# KiCad board Turbo_XT_Mainboard R3.kicad_pcb (continued)
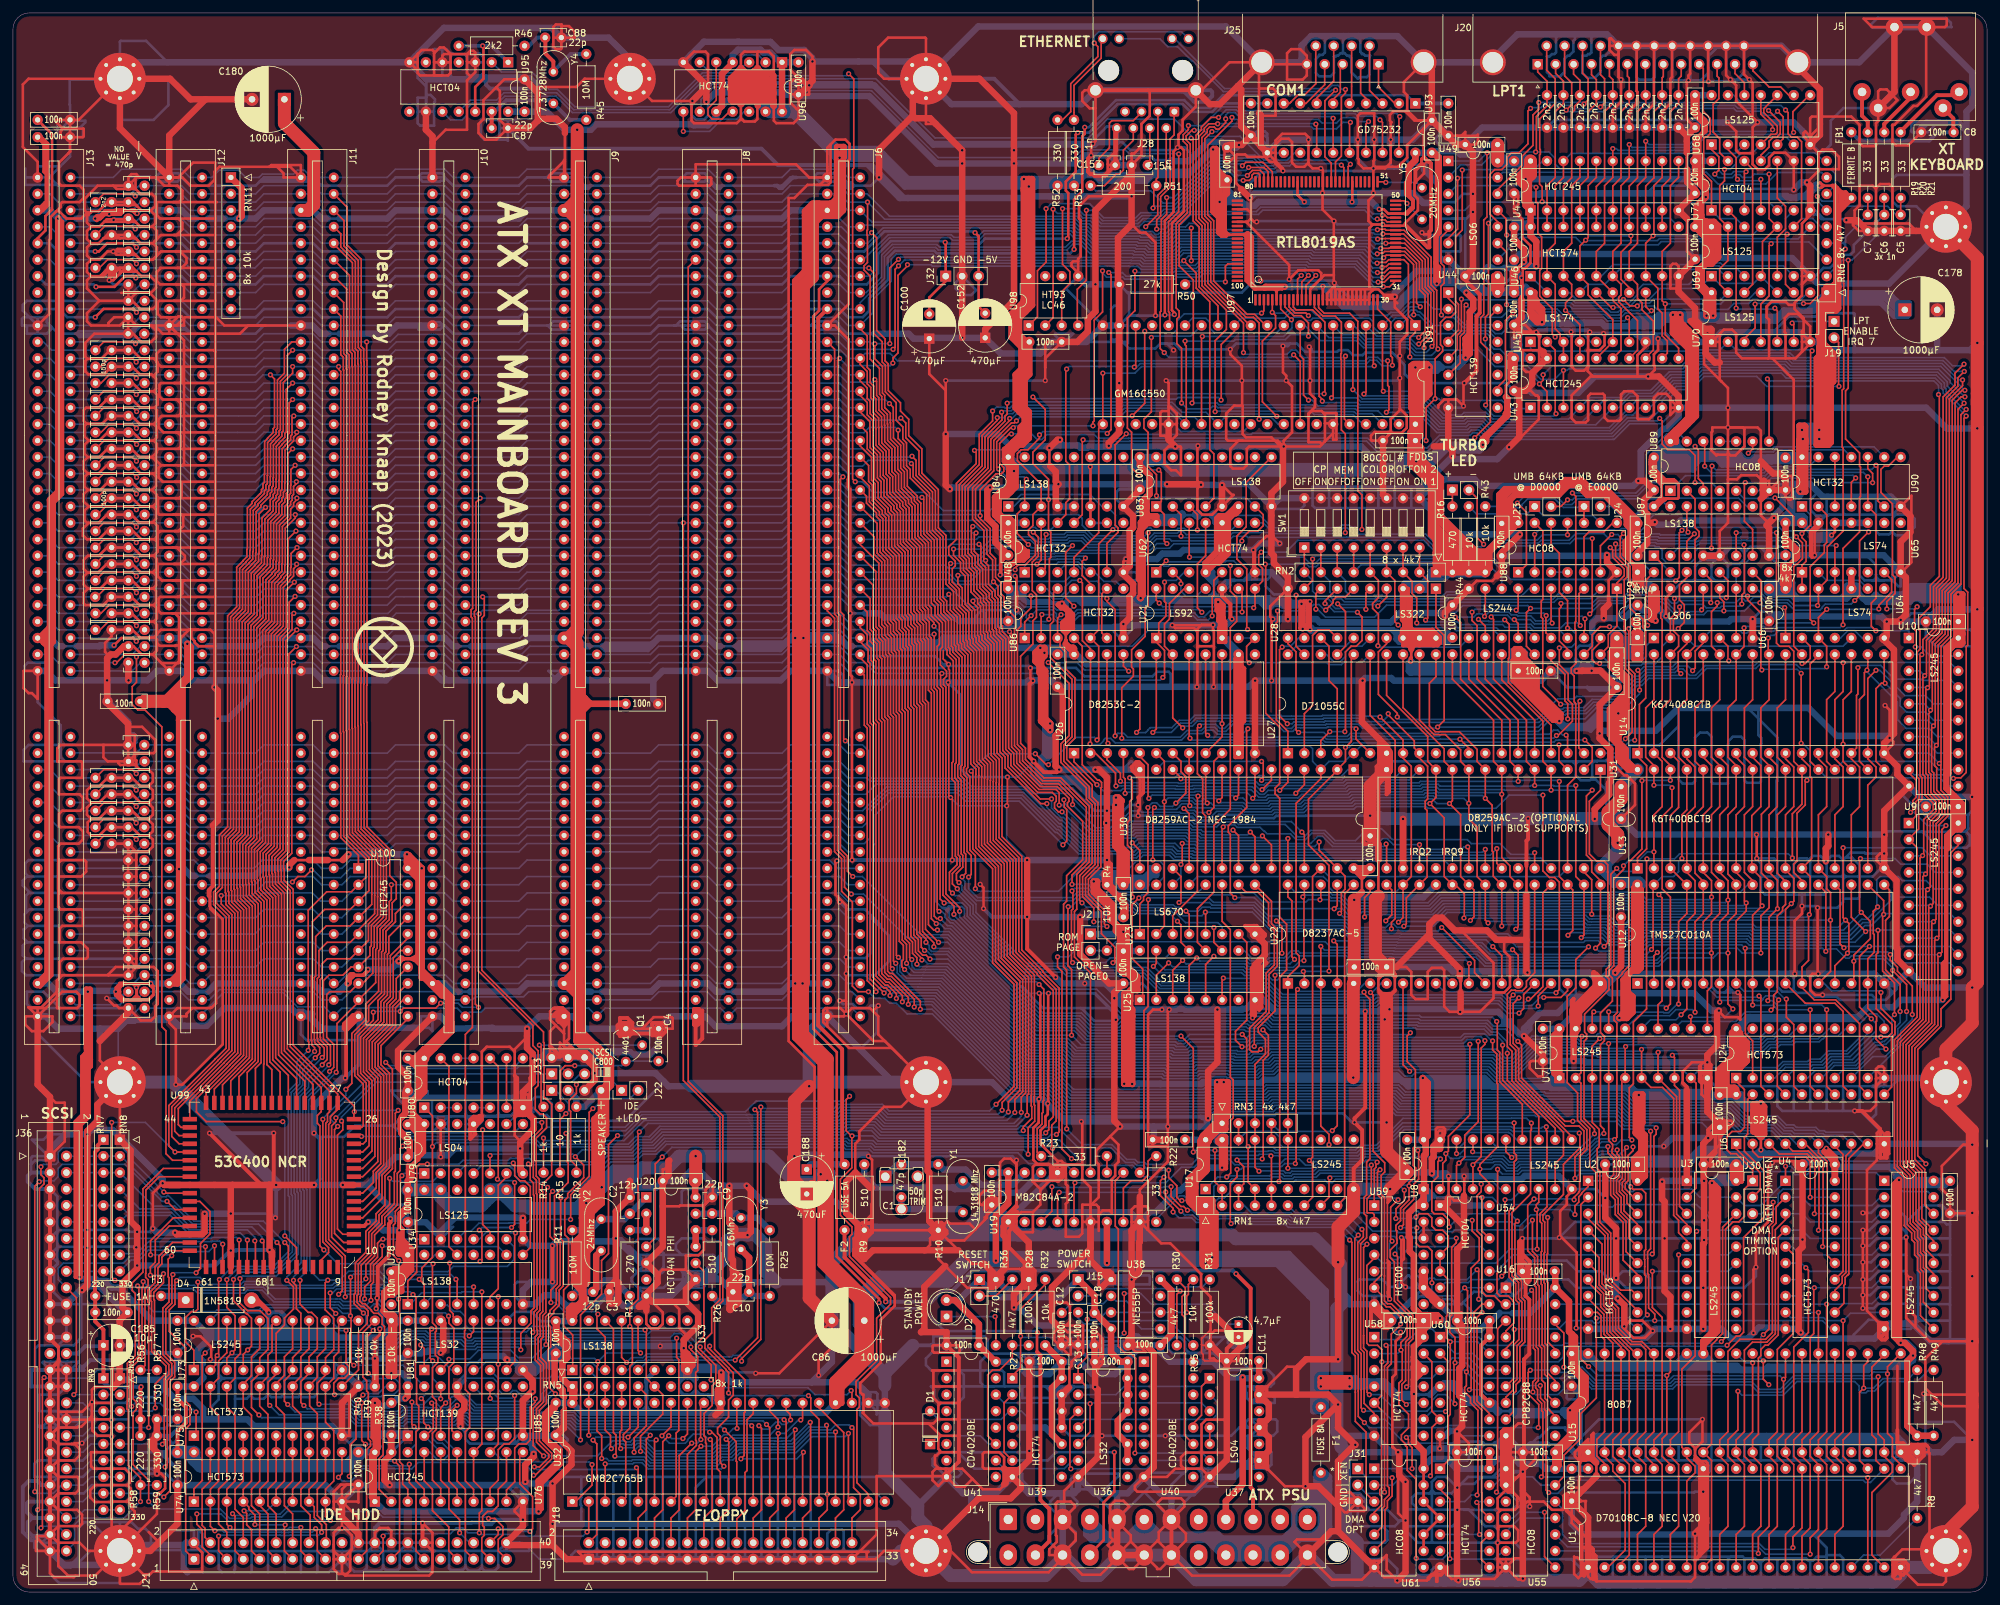
[diagram p0: board, top side]
## Routing (per net, layer and track width the routed paths; a pad name or vN(x,y) marks a point on that pad's centre or on a via; arc(x,y) is an arc through that point) (continued)
  Top w1: U3.1 258.44,77.47 ; U16.10 U55.1 U55.2 ; 117.47,229.49 117.41,229.56 117.41,230.32 ; H2.1 13.03,75.26 13.03,72.72 11.49,71.18 v1(11.49,70.68) v1(11.49,55.94) v1(11.49,53.16) 11.49,47.43 v1(10.67,46.61) ; 95.25,63.5 C2.1 93.09,58.76 v1(93.09,54.61) 93.09,48.13 ; 111.16,48.55 110.62,48.01 110.62,43.69 110.74,43.56 111.16,43.98 111.16,44.36 ; 111.16,48.55 111.16,50 ; 111.16,48.55 C10.2 111.16,44.36 ; v1(253.49,165.23) 253.39,165.12 252.33,165.12 ; v1(46.48,62.87) 39.5,62.87 ; 39.5,62.87 39.62,62.74 v1(39.62,52.83) 39.98,52.48 U99.1 ; 39.5,62.87 v1(40.64,62.87) ; 39.5,62.87 33.91,62.87 ; 122.96,232.89 122.96,232.69 v1(122.94,232.66) ; 122.96,232.89 v1(122.94,232.66) ; 122.96,232.89 123.44,233.38 v1(123.44,236.35) ; U19.9 173.99,54.1 173.86,53.98 173.86,49.4 v1(172.72,48.26) ; U19.9 172.72,55.88 v1(172.72,48.26) ; U19.9 173.99,61.09 ; 219.34,68.09 219.34,67.17 219.07,66.91 v1(219.07,64.64) ; 219.34,68.09 219.34,68.85 220.34,69.85 220.34,68.45 219.71,68.45 219.34,68.09 ; v1(78.74,57.79) U34.7 ; 112.39,234.57 112.39,235.33 113.16,234.57 ; 112.39,234.57 114.17,234.57 ; 112.39,234.57 112.14,234.57 111.95,234.76 ; U1.1 243.2,11.51 C40.2 244.47,17.86 244.47,18.03 ; v1(161.54,127) 160.98,127.56 160.98,132.23 162.09,133.34 162.09,138.98 C52.2 ; C74.2 210.82,115.49 210.82,113.16 ; 51.31,87.12 51.56,87.12 U100.10 52.58,88.9 51.31,87.63 51.31,87.12 ; 51.31,87.12 51.43,87 ; 93.09,48.13 93.47,47.75 93.47,44.83 93.22,44.58 92.33,44.58 92.07,44.83 C3.2 92.07,47.12 93.09,48.13 ; v1(263.4,89.79) 263.12,89.51 263.12,84.43 261.61,82.92 v1(261.61,81.79) 261.61,79.38 U7.10 261.62,74.17 263.52,72.26 C44.2 261.81,70.04 v1(261.75,70.1) 260.99,69.22 260.99,66.12 C32.2 261.06,63.55 v1(261.11,63.5) v1(261.11,57.4) v1(261.11,54.36) 261.11,53.89 260.99,53.77 v1(260.99,40.64) ; 168.34,49.21 168.4,49.15 169.54,49.15 U38.1 169.29,48.26 ; 168.34,49.21 169.29,48.26 ; 168.34,49.21 166.37,51.18 U19.6 166.37,53.02 160.42,47.08 160.42,41.96 161.23,41.15 v1(161.8,41.15) 161.8,38.23 C12.2 ; U43.10 257.18,184.66 254.13,187.71 v1(252.48,187.71) ; 114.48,234.88 115.26,234.88 115.57,234.57 ; 114.48,234.88 115,234.88 115,235.26 114.94,235.33 ; 114.48,234.88 114.17,234.57 ; U32.31 109.35,29.34 v1(109.35,33.91) 109.35,31.75 108.84,31.24 108.84,29.59 U32.31 ; U32.31 109.22,28.07 108.46,27.31 ; U26.12 191.77,140.72 v1(191.79,140.74) ; H8.1 149.1,14.48 154.05,14.48 155.57,16 155.57,16.51 U39.7 ; 198.12,30.48 U37.13 193.91,28.98 193.91,26.9 U37.11 193.91,23.9 193.91,21.82 U37.9 ; 198.12,30.48 203.07,30.48 v1(204.6,28.96) ; 198.12,30.48 198.12,34.42 199.64,35.94 v1(204.6,35.94) v1(204.6,50.93) ; 184.91,42.55 185.67,42.55 188.85,39.37 C11.2 189.23,40 189.87,40 189.87,38.1 187.45,35.69 C17.2 ; 117.41,231.46 117.29,231.46 116.46,230.63 ; 117.41,231.46 116.97,231.9 110.87,231.9 ; 117.41,231.46 117.41,230.32 ; 117.41,231.46 117.41,232.73 ; 117.41,231.46 112.85,231.46 112.39,231.01 111.51,231.9 110.87,231.9 ; 261.37,193.93 U70.1 262.25,194.94 262.13,195.07 261.11,195.07 259.71,196.47 259.71,198.25 257.18,200.79 U46.10 258.92,204.94 258.92,205.02 C58.2 ; 261.37,193.93 259.02,196.27 ; 261.37,193.93 261.37,191.26 262.76,189.87 263.52,189.87 ; 182.63,231.91 184.79,229.75 186.34,229.75 189.11,232.53 ; v1(31.11,139.7) 31.62,139.19 31.62,119.13 30.86,118.36 ; 111.51,55.12 111.51,56.13 110.62,57.02 v1(110.62,62.74) ; 111.51,55.12 v1(113.41,55.12) 113.92,55.63 113.92,62.1 v1(113.28,62.74) ; 111.51,55.12 110.94,54.56 110.94,51.49 111.16,51.27 111.16,50 ; U40.8 176.13,19.28 176.13,36.92 174.94,38.1 C16.2 172.72,38.66 v1(172.72,48.26) ; U84.4 161.02,167.91 161.02,170.67 v1(161.42,171.07) 161.02,171.47 161.02,172.99 160.15,173.86 ; U1.33 v1(260.99,15.49) 260.99,10.29 v1(259.71,9.02) ; 155.45,18.92 155.34,18.82 153.27,18.82 ; 155.45,18.92 U39.7 ; 155.45,18.92 156.93,20.4 C14.2 ; 112.01,230.12 111.51,230.63 110.87,230.63 ; 112.01,230.12 112.39,229.74 112.97,230.32 117.41,230.32 ; 112.01,230.12 111.12,230.12 110.87,230.38 110.87,230.63 ; v1(122.94,232.66) C46.2 ; U88.7 246.13,159 v1(246.13,160.15) ; 131.44,51.44 R9.1 ; 131.44,51.44 132.78,52.77 145.99,52.77 ; 131.44,51.44 130.43,52.45 130.43,56.77 128.65,58.55 128.65,63.37 130.05,64.77 132.39,62.43 132.65,62.43 ; v1(221.11,150.75) 221.11,151.26 C66.2 U29.10 ; 107.06,232.66 U96.7 ; 107.06,232.66 107.06,232.41 v1(104.9,230.25) ; 107.06,232.66 v1(107.06,230.12) ; J20.0 275.59,235.46 279,232.05 279,225.02 U68.7 ; v1(271.91,165.86) 270.76,164.72 271.14,164.34 U87.8 ; 110.87,231.9 110.87,233.68 ; 110.87,231.9 110.87,230.63 ; 110.87,231.9 111.7,232.73 ; v1(146.56,193.68) J32.2 v1(146.56,220.6) v1(146.56,222.63) 141.6,227.58 139.32,227.58 138.94,227.97 ; J5.4 290.5,231.67 J5.SH ; 233.68,107.63 233.68,100.71 ; 233.68,100.71 229.04,100.71 227.58,102.17 222.63,102.17 220.66,104.14 219.71,104.14 218.69,103.12 218.69,101.6 ; 233.68,100.71 233.68,95.82 v1(233.84,95.66) ; 122.94,60.07 123.32,60.45 123.32,63.12 ; 60.01,73.34 60.58,73.91 60.58,77.04 C30.2 60.96,79.63 59.46,81.13 59.46,83.59 J10.80 ; 110.87,230.63 111.12,230.63 ; C97.2 164.34,193.04 165.97,194.67 165.97,196.57 167.13,197.74 v1(167.13,201.93) 167.13,213.36 172.72,218.95 ; v1(233.3,85.85) 236.22,82.93 C84.2 ; 221.62,176.91 222.25,176.28 v1(222.25,175.39) ; 221.62,176.91 219.38,176.91 ; 221.62,176.91 U44.8 ; v1(154.56,43.94) 154.56,45.97 R28.1 156.84,53.98 U19.1 152.97,56.45 152.97,55.06 153.29,54.74 153.29,50.17 151.76,48.64 R36.2 151.76,48.89 149.99,50.67 149.61,50.67 ; v1(196.85,150.24) U28.10 196.85,156.72 194.69,158.88 194.69,160.02 194.31,160.4 U83.8 194.31,169.67 196.09,171.45 196.09,176.78 v1(196.2,176.89) ; 115.57,234.57 114.17,234.57 ; 115.57,234.57 116.97,234.57 117.41,234.13 117.41,232.73 ; 83.31,7.24 76.58,7.24 J21.40 78.74,10.16 v1(78.74,11.18) U76.10 ; 83.31,7.24 85.47,5.08 J18.1 ; 83.31,7.24 v1(83.31,10.54) v1(83.31,16.76) 86.23,19.69 86.23,21.8 C96.2 ; v1(170.94,71.88) 170.05,72.77 v1(170.05,91.69) 170.05,92.58 C49.2 169.26,93.98 164.77,98.47 164.77,104.22 v1(164.77,104.22) ; 170.18,11.5 J14.5 J14.17 J14.18 ; 223.52,92.52 223.52,89.66 v1(223.45,89.59) ; 269.88,174.62 271.78,172.72 272.92,172.72 273.69,171.96 C48.2 271.27,170.18 U89.7 270.32,169.23 ; 111.16,50 111.16,49.74 112.01,48.89 112.01,44.7 111.67,44.36 111.16,44.36 ; v1(186.69,170.94) U83.5 ; C99.2 189.63,226.37 189.63,232.01 189.11,232.53 ; C99.2 189.72,223.46 v1(189.29,223.46) 187.85,223.46 C73.2 ; C99.2 192.65,223.35 192.65,223.27 ; v1(245.62,150.37) 245.62,151.77 246.38,152.53 ; v1(161.66,177.94) 161.3,177.94 v1(160.02,176.66) ; U20.9 103.91,46.76 103.91,44.81 ; 218.69,101.6 213.61,96.52 C53.2 ; 218.69,101.6 218.69,100.9 223.39,96.2 223.39,95.06 ; C18.2 167,35.64 C15.2 v1(167.08,31.67) 167.48,31.27 167.48,20.8 U36.7 ; v1(247.52,48.51) v1(247.52,54.61) 247.52,56.13 245.86,57.8 245.86,66 C34.2 ; v1(248.79,41.02) 248.79,44.32 v1(247.78,45.34) ; U39.7 153.03,19.05 153.27,18.82 ; v1(231.01,176.78) 232.57,178.35 232.57,184.7 C70.2 233.51,185.5 234.57,186.56 234.57,188.21 U43.19 236.35,191.01 236.35,191.52 ; 111.12,230.63 116.46,230.63 ; 111.12,230.63 111.63,231.14 115.95,231.14 116.46,230.63 ; 172.72,218.95 v1(172.72,215.52) 172.72,211.2 170.62,209.1 170.62,202.13 170.81,201.93 v1(170.81,186.69) 170.81,179.07 169.2,177.45 v1(169.2,177.01) ; 172.72,218.95 C154.1 172.72,219.96 ; v1(133.73,218.44) 133.73,222.76 138.94,227.97 ; v1(25.02,55.5) 25.27,55.25 29.21,55.25 29.59,55.63 v1(29.59,58.42) ; v1(279.91,112.84) 279.91,114.81 280.29,115.19 v1(280.29,116.97) ; v1(232.66,163.32) 229.87,160.53 C67.2 229.87,157.61 229.11,156.84 ; 163.03,31.59 U39.13 U39.12 U39.11 ; 211.96,200.03 v1(213.36,200.03) ; 258.44,224.87 C51.2 ; 258.44,224.87 C28.2 ; 258.44,224.87 258.44,222.25 ; 24.21,88.82 J12.80 ; C72.2 v1(276.31,54.44) 276.31,53.29 275.72,52.7 275.72,40.39 v1(276.03,40.07) ; U17.19 v1(186.69,65.53) ; 204.6,14.1 204.6,20.19 207.14,22.73 v1(207.26,22.73) 204.6,25.4 v1(204.6,28.96) ; 204.6,14.1 207.52,14.1 J31.3 ; 204.6,14.1 204.6,13.33 ; C41.2 250.82,160.48 252.33,161.98 252.33,165.12 ; C81.2 248.28,96.63 247.4,95.74 v1(247.4,95.63) ; C87.1 79.88,226.06 81.03,227.2 ; U25.8 191.77,96.84 193.27,98.34 193.27,100.1 U23.8 191.77,101.35 ; v1(144.02,178.82) 144.02,170.94 v1(144.65,170.31) ; R31.1 184.99,38.1 C17.2 ; U74.10 50.8,11.56 53.34,9.02 J21.22 ; 29.72,230.5 24.13,224.92 J12.1 16.51,226.06 H1.1 24.26,233.68 27.43,230.5 29.72,230.5 ; 29.72,230.5 C180.2 ; U61.7 204.6,9.4 ; 104.14,36.75 103.57,37.32 v1(103.57,37.66) ; 104.14,36.75 103.63,36.24 ; 104.14,36.75 104.14,36.58 104.9,35.81 104.9,35.05 U33.8 ; 104.14,36.75 U33.8 ; C181.2 178.31,69.85 ; U33.8 103.76,34.29 103.63,34.42 103.63,36.24 ; 115,230.82 115,229.55 ; 111.95,234.76 110.87,233.68 ; 111.95,234.76 112.01,234.82 112.39,234.82 ; 110.87,233.68 116.46,233.68 117.41,232.73 ; 110.87,233.68 110.87,233.57 111.7,232.73 ; v1(79.38,87) 79.38,84.01 80.24,83.14 v1(80.24,82.4) 80.24,78.72 78.74,77.22 U80.7 78.74,74.68 80.39,73.03 80.39,71.5 78.32,69.43 v1(78.32,68.49) 78.32,66.84 78.35,66.81 78.35,65.03 U79.7 ; U99.64 v1(33.63,52.73) v1(33.63,58.45) 33.63,62.58 33.91,62.87 ; 33.91,62.87 23.37,62.87 v1(23.11,63.12) ; J10.1 64.77,224.79 63.75,225.81 U95.9 ; v1(213.87,21.59) 214.04,21.42 214.04,17.99 v1(215.01,17.02) 215.01,3.05 v1(213.74,1.78) ; U71.7 277.5,217.17 v1(276.99,217.68) ; 19.18,56.26 19.18,53.36 v1(19.04,53.22) 19.18,53.08 v1(19.18,50.42) 19.18,49.97 16.9,47.69 16.9,43.98 C186.2 16.47,41.95 C185.2 16.47,33.06 RN10.1 16.51,32.64 15.37,31.5 ; 19.18,56.26 18.16,57.28 18.16,68.2 RN8.1 ; 19.18,56.26 v1(19.18,55.63) ; 204.6,13.33 204.6,9.4 ; 204.6,13.33 201.6,16.34 v1(199.56,16.34) 199.56,23.92 v1(204.6,28.96) ; 224.03,56.51 224.03,53.95 222.96,52.89 C76.2 223.76,41.12 223.76,34.97 223.31,34.52 223.31,30.33 223.75,29.9 223.75,25.59 v1(222.96,24.81) C82.2 222.96,2.02 v1(223.17,1.81) ; 224.03,56.51 224.03,61.21 ; 224.03,56.51 220.85,59.69 U54.1 221.23,59.69 221.55,60.01 221.55,60.77 ; R40.2 50.8,29.21 U75.10 ; 169.29,48.26 168.15,47.12 ; 103.63,36.24 103.57,36.3 v1(103.57,37.66) ; 189.11,232.53 J25.SH ; 219.2,45.59 219.2,45.08 219.84,44.45 U54.7 ; 25.4,16.59 25.4,10.54 21.21,6.35 H6.1 ; U20.7 97.79,45.08 97.03,44.32 96.9,44.32 96.65,44.07 97.79,44.07 ; U20.7 97.79,44.07 ; U20.7 98.7,44.81 103.91,44.81 ; U20.7 97.79,46.04 99.54,47.78 99.54,49.05 U20.5 100.33,53.34 C95.2 101.22,64.39 101.22,66.53 101.35,66.65 ; C54.2 171.45,106.55 168.91,109.09 R4.1 v1(168.91,113.03) 168.91,118.64 v1(168.8,118.75) 168.91,118.86 168.91,125.79 167.7,127 v1(167.13,127) ; 97.79,44.07 97.79,43.43 ; 103.91,44.81 105.79,42.93 105.79,41.15 103.57,38.93 v1(103.57,37.66) ; v1(244.22,119.38) 244.22,120.9 246.46,123.13 246.46,124.96 246.63,125.13 246.63,130.18 244.98,131.83 v1(244.98,132.59) 244.98,137.03 C50.2 245.07,142.28 v1(243.75,142.28) 242.35,142.28 242.32,142.24 v1(241.43,142.24) ; U81.7 78.74,34.19 80.21,32.72 80.21,32.28 80.24,32.25 v1(80.24,30.96) 80.14,30.96 78.74,29.57 U85.8 ; v1(208.38,140.74) 208.28,140.64 208.28,134.37 212.09,130.56 U27.7 ; U81.13 66.44,41.51 66.44,37.36 v1(66.04,36.96) ; 204.6,9.4 203.55,9.4 J14.24 ; v1(250.95,171.58) 251.97,171.58 C93.2 251.86,168.68 251.86,166.92 252.33,166.46 252.33,165.12 ; H7.1 297.81,210.19 C5.2 C6.2 C7.2 284.73,211.84 v1(283.08,211.84) ; 153.27,18.82 153.27,16.87 153.03,16.64 ; v1(185.97,89.94) 185.97,81.83 184.53,80.39 v1(184.53,73.15) ; 81.03,227.2 81.03,231.52 80.77,231.78 80.77,231.82 C37.2 ; 81.03,227.2 81.32,227.5 83.9,227.5 85.22,226.19 85.22,225.3 ; C78.2 144.14,40.13 140.21,40.13 140.72,40.64 140.72,47.12 143.95,50.36 ; 59.94,70.87 61.27,69.54 61.27,67.49 C33.2 ; 117.41,232.73 111.7,232.73 ; C161.1 17.78,134.06 14.54,137.31 v1(14.54,140.78) 14.54,144.21 15.11,144.78 15.88,144.78 17.14,146.05 C131.2 ; v1(79.12,17.02) 79.08,17.06 79.08,19.63 80.39,20.95 v1(80.39,21.34) ; U85.13 68.58,30.46 69.68,29.36 69.68,28.32 69.09,27.73 v1(69.09,25.57) ; R10.2 141.48,57.28 141.48,64.77 141.22,65.02 141.22,78.49 H4.1 ; R39.2 55.96,31.83 55.96,35.98 v1(55.88,36.07) ; 122.94,61.21 123.32,61.6 123.32,63.12 ; v1(254.63,63.37) 254.63,60.67 255.02,60.28 255.02,46.48 255.9,45.59 v1(255.9,40.64) ; U87.4 263.52,160.02 ; v1(183.44,170.99) 183.36,171.07 v1(178.18,171.07) ; 123.32,63.12 122.56,62.36 122.56,61.6 ; 193.68,222.25 192.65,223.27 ; 192.65,223.27 192.65,228.1 192.4,228.35 ; 241.3,88.27 U7.19 241.3,86.49 241.15,86.34 241.15,85.88 240.97,85.69 v1(240.97,82) ; 270.32,169.23 269.88,168.78 ; 270.32,169.23 270.32,171.64 ; C64.2 v1(233.12,18.59) v1(233.12,2.08) ; C17.2 187.4,20.4 U37.7 ; 232.92,199.58 232.92,196.8 C43.2 232.89,194.54 ; 218.95,45.85 218.57,45.85 217.81,46.61 U59.9 217.55,47.24 217.55,48.89 217.81,49.15 U59.10 ; U15.1 243.2,21.21 244.44,19.97 ; J25.SH 219.07,234.95 C79.2 222.81,223.52 C62.2 225.43,222.33 v1(225.43,215.9) v1(225.43,213.11) 225.43,204.39 C85.2 ; C92.2 151.7,162.07 151.7,164.56 150.44,165.82 150.44,170.12 v1(150.88,170.56) ; C130.2 17.82,140.8 v1(17.85,140.78) ; 117.41,230.32 117.47,230.25 ; 258.51,219.64 258.51,217.7 259.71,216.5 C75.2 257.18,213.44 U47.10 258.48,212.06 ; U99.18 v1(50.92,62.87) ; v1(156.59,113.03) v1(156.59,104.27) ; C176.2 17.82,89.5 13.41,85.09 ; C89.2 U76.19 58.42,21.3 57.36,20.24 57.36,17.31 v1(58.17,16.51) ; J33.6 89.82,81 v1(89.82,80.11) 89.82,79.02 J1.3 ; U9.10 290.96,97.66 290.96,99.31 290.83,99.44 290.83,109.85 U13.16 v1(288.93,114.05) 288.93,113.92 v1(288.93,116.97) 288.93,116.84 288.93,120.65 U10.10 290.96,126.24 290.96,127.51 U14.16 288.93,131.06 v1(289.75,131.89) 290.43,132.56 290.43,145.5 288.93,147 U64.7 289.31,147.7 v1(289.31,149.86) 291.21,149.86 v1(291.47,150.11) 292.26,150.91 292.26,156.68 U65.7 291.46,162.18 292.97,163.68 292.97,166.14 U90.7 ; U86.7 v1(171.45,149.48) 172.41,150.44 172.41,153.68 172.95,154.22 172.95,155.66 171.45,157.16 U48.7 172.41,158.44 172.41,163.84 172.95,164.38 172.95,166.14 U84.8 173.99,170.18 C39.2 ; v1(179.47,176.89) 178.44,177.93 178.44,180.34 ; C71.2 v1(211.53,175.05) 211.53,169.47 SW1.11 ; J13.80 3.81,78.36 5.71,76.45 J36.1 ; 138.94,227.97 138.94,231.65 H5.1 149.22,233.68 154.56,228.35 v1(154.56,222.63) v1(154.56,220.6) 154.56,199.44 150.11,194.99 C152.1 ; R57.1 R59.1 21.43,23.33 21.43,22.39 22.22,21.59 v1(22.22,18.29) ; 85.09,30.23 84.86,30.46 84.86,31.17 83.64,32.4 83.64,36.65 C91.2 ; v1(191.01,215.26) 189.61,216.66 ; v1(268.6,150.24) 268.6,147.32 ; 76.2,35.94 v1(76.33,35.81) ; U31.16 v1(214.63,119.38)
  Top w2: v1(204.6,50.93) 204.6,56.36 207.01,58.77 U17.10 ; 210.82,107.44 210.36,106.98 210.36,98.25 C53.2 ; U22.20 245.11,93.57 241.3,89.76 241.3,88.27 ; v1(212.64,62.23) C60.2 212.09,68.03 v1(212.09,72.52) 212.09,91.44 ; H10.1 298.45,9.1 302.51,13.17 v1(302.51,38.74) v1(302.51,58.55) v1(302.51,69.09) 302.51,71.25 298.45,75.31 H9.1 298.45,83.82 302.51,87.88 v1(302.51,93.34) 303.3,94.13 v1(303.3,151.75) v1(303.3,179.69) v1(303.3,192.89) 303.3,205.97 H7.1 ; C74.2 v1(209.55,119.89) 209.55,124.46 U31.14 U27.7 ; v1(122.94,78.1) 120.65,75.82 v1(120.65,67.31) 120.65,67.12 120.55,67.03 120.55,63.51 120.79,63.27 120.88,63.27 122.94,61.21 122.94,45.42 C86.2
  Bottom w0.25: 143.49,105.68 144,105.68 144.14,105.54 143.63,105.54 143.49,105.67 143.49,105.68 ; 143.49,105.68 144.31,105.68 144.55,105.44 ; 143.49,105.68 143.43,105.68 142.49,106.61 142.49,113.03 ; 143.49,105.68 143.62,105.68 144.55,104.75 ; 144.55,104.75 144.55,104.18 144.94,103.8 145.29,103.8 155.61,93.47 155.96,93.47 156.97,92.46 v1(158.44,92.46) 167.23,92.46 ; 144.55,104.75 144.55,105.25 ; v1(160.99,94.91) 160.75,95.16 155.92,95.16 146.89,104.18 146.89,105.47 146.52,105.85 145.35,105.85 ; 164.85,90.17 166.88,88.14 170.43,88.14 170.94,88.65 ; 145.35,105.85 145.22,105.85 144.62,105.25 144.55,105.25 ; 145.35,105.85 144.97,105.85 144.55,105.44 ; 170.94,88.65 170.61,88.98 170.61,89.08 ; 170.94,88.65 170.94,88.75 170.61,89.08 ; 170.94,88.65 171.2,88.65 ; 185.48,149.29 185.35,149.29 v1(185.29,149.35) ; 229.49,87.38 228.6,87.38 227.71,88.27 217.3,88.27 217.05,88.52 212.09,88.52 ; 229.49,87.38 229.87,87.38 ; 229.49,87.38 230.24,88.13 230.62,88.13 ; 170.61,89.08 170.29,89.4 ; 170.29,89.4 167.23,92.46 ; 170.29,89.4 v1(170.29,88.37) ; SW1.9 SW1.10 SW1.11 SW1.12 SW1.13 SW1.14 SW1.15 SW1.16 ; 144.55,105.44 144.55,105.25 ; 144.53,122.94 144.4,122.81 135.95,122.81 133.16,120.02 133.16,115.61 132.91,115.35 132.91,113.03 ; 144.53,122.94 144.53,122.94 v1(144.78,122.69) ; 144.53,122.94 146.05,121.41 v1(153.43,121.41) 153.43,116.19 v1(156.59,113.03) ; J21.40 78.74,7.62 81.28,5.08 J18.1 ; 171.2,88.65 v1(191.39,88.65) 191.63,88.89 193.91,88.89 194.53,88.27 211.64,88.27 v1(211.8,88.43) ; 171.2,88.65 170.56,88.65 v1(170.29,88.37) ; v1(157.61,128.3) 155.16,125.85 v1(153.55,125.85) ; v1(211.8,88.43) 211.89,88.52 212.09,88.52 ; v1(211.8,88.43) 211.87,88.43 211.96,88.52 212.09,88.52 ; 167.23,92.46 v1(159.89,92.46) 158.5,92.46 ; 78.1,30.73 78.2,30.62 78.21,30.62 78.61,30.23 ; 78.1,30.73 77.71,31.12 77.16,31.12 76.67,30.62 75.54,30.62 74.93,31.23 74.93,32.27 74.18,33.02 69.85,33.02 ; 78.1,30.73 78.26,30.56 79.84,30.56 v1(80.24,30.96) ; 131.57,95.25 132.33,94.49 132.21,94.36 ; U59.7 211.78,44.45 v1(212.56,45.24) ; v1(161.42,171.07) 161.41,171.06 161.28,171.06 ; 144.4,143 144.46,143.06 v1(144.46,143.26) ; 156.78,140.78 156.84,140.72 v1(157.48,140.72) ; 16.26,87 16.26,78.99 H2.1 ; 223.31,95.84 223.35,95.84 v1(223.39,95.88) ; 229.87,87.38 231.37,87.38 231.95,86.79 ; 229.87,87.38 229.87,89.03 ; 165.23,90.17 165.23,90.04 167,88.27 170.18,88.27 v1(170.29,88.37) ; 97.15,235.59 H3.1